# Altium PCB MAIN_BOARD_V2.PcbDoc (part 3 of 4) (continued)
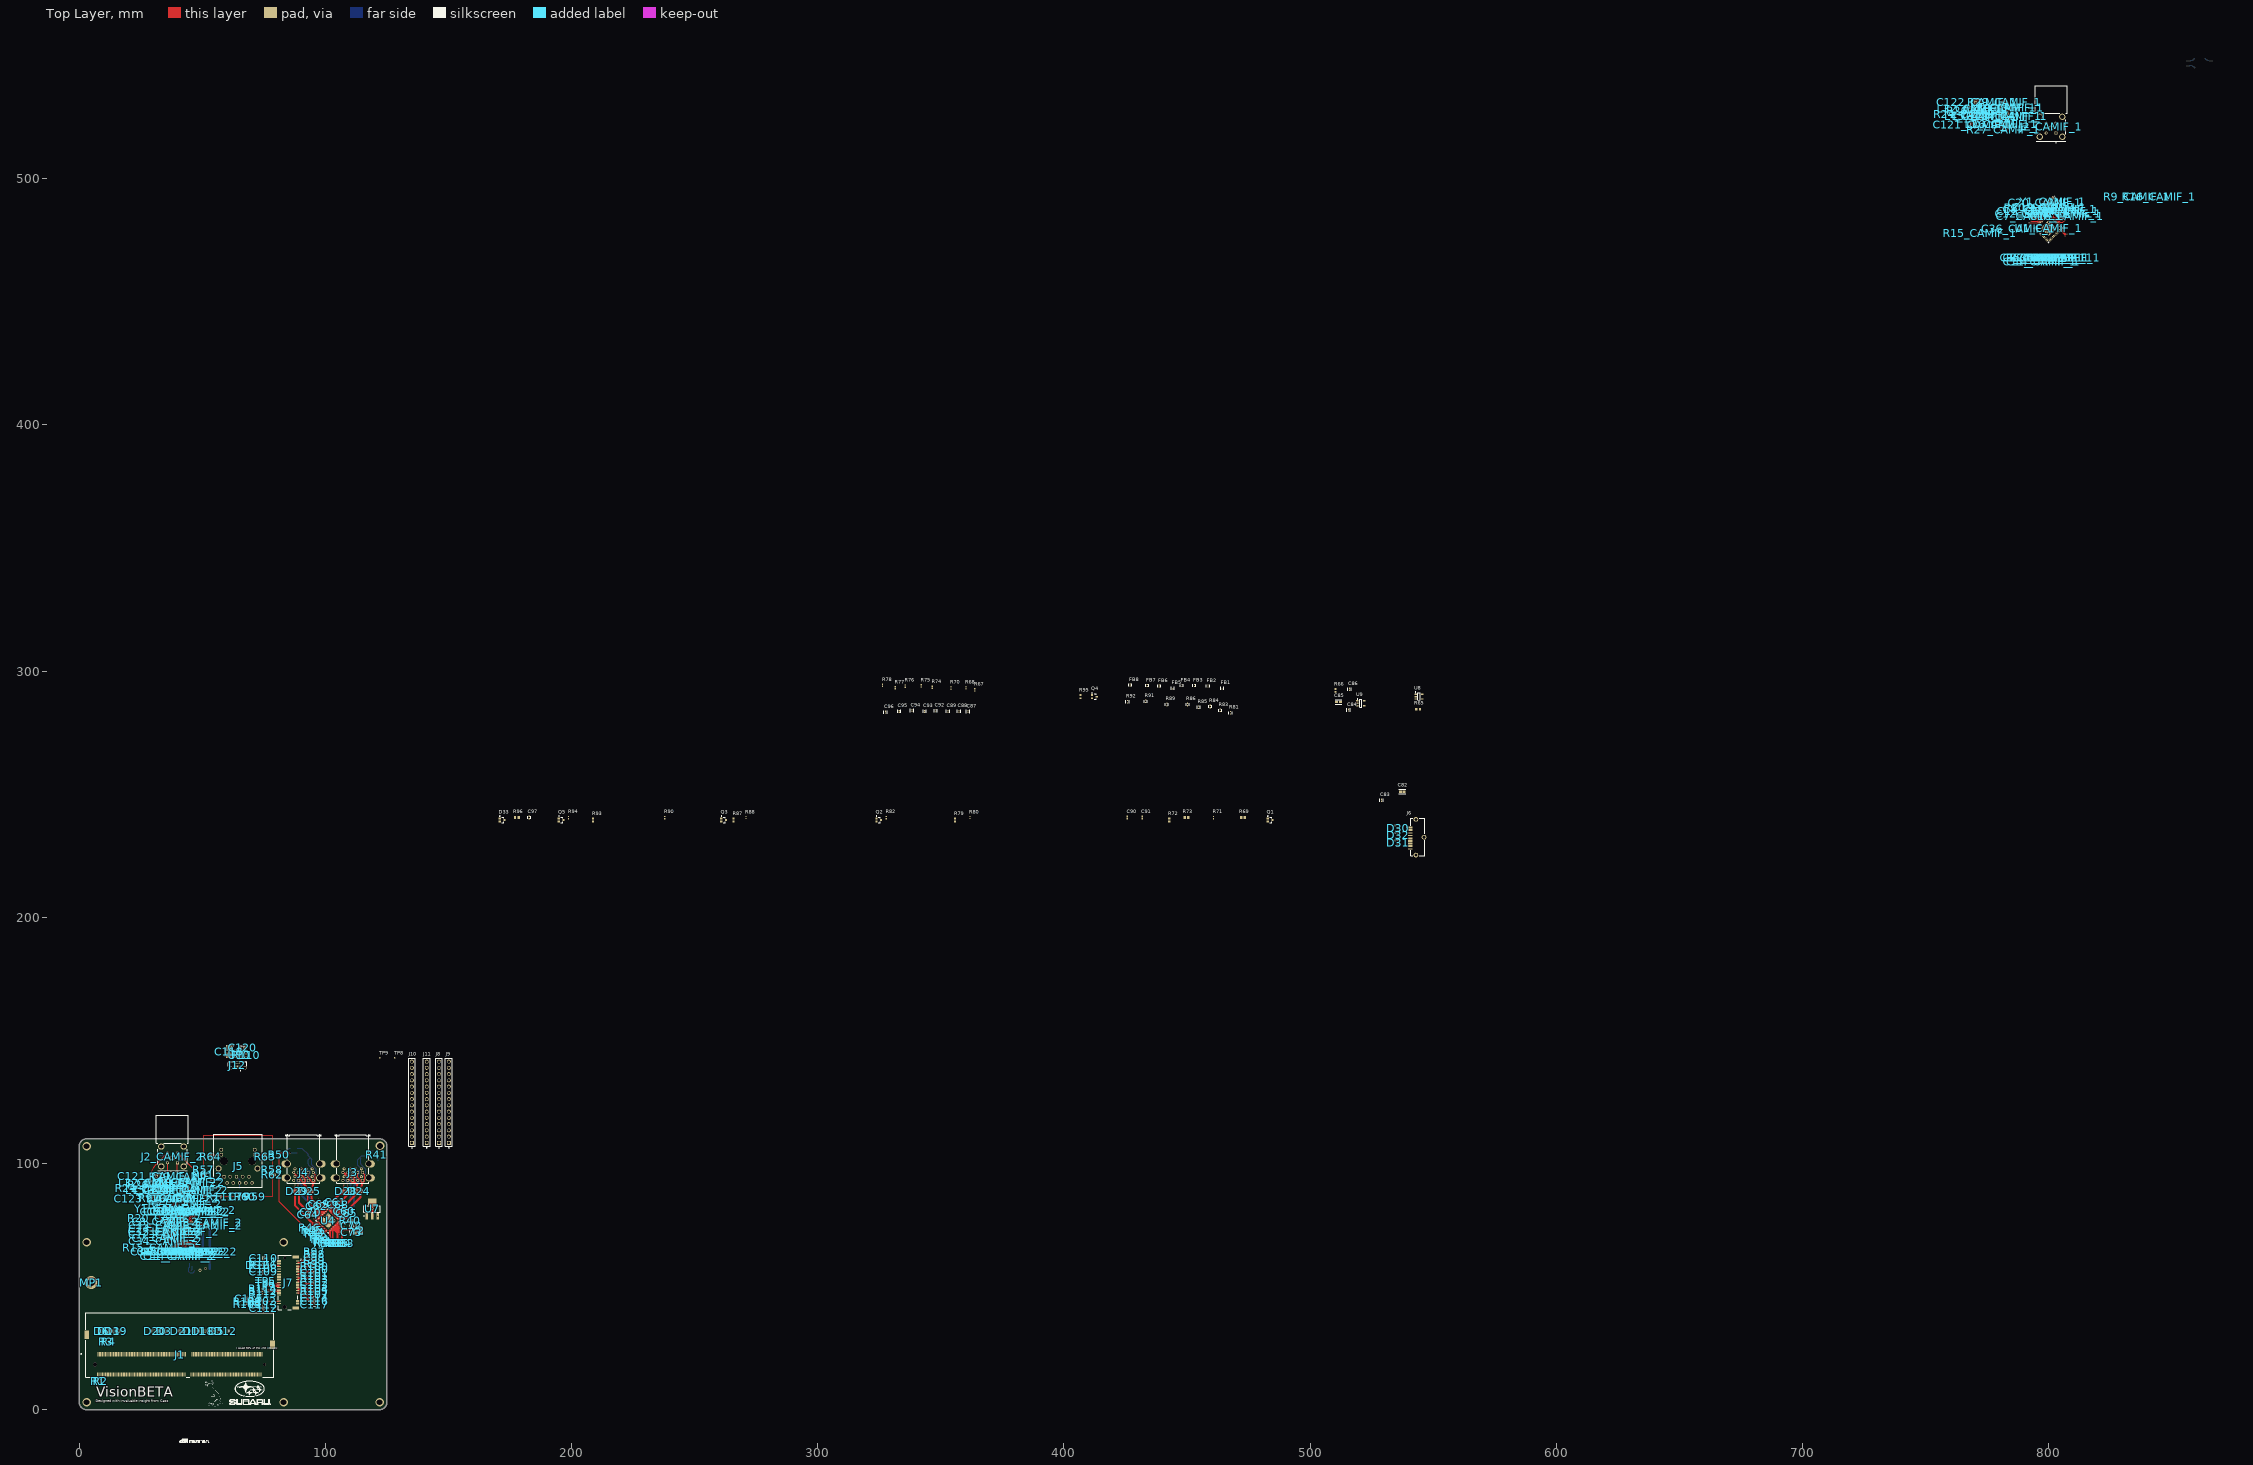
[diagram p0: Top Layer view]
## Nets (pads, with @x,y where several pads share a name; then routed paths per layer and width w, separated by ;. In a path a pad name is that pad's centre, name@x,y a point inside that pad or via, vN(x,y) a via of type N, cw(c..) or ccw(c..) an arc to the next point about the centre after c; other vN are vias at no path point) (continued)
  Bottom Layer w0.355: 39.858,100.287 40.114,100.543 cw(c41.91,98.747) 41.91,101.287 42.315,101.287 43.15,101.287
  other v1: 101.1,73.95 99.725,75.375 102.475,75.375 98.325,76.75 101.1,76.75 103.875,76.75 99.725,78.125 102.475,78.125 101.1,79.525
  other v2: 41.608,70.625 42.708,70.625 43.808,70.625 44.908,70.625 41.608,71.725 42.708,71.725 43.808,71.725 44.908,71.725 41.608,72.825 42.708,72.825 43.808,72.825 44.908,72.825 41.608,73.925 42.708,73.925 43.808,73.925 44.908,73.925 800,477.667 799.222,478.444 800.778,478.444 798.444,479.222 800,479.222 801.556,479.222 797.667,480 799.222,480 800.778,480 802.333,480 798.444,480.778 800,480.778 801.556,480.778 799.222,481.556 800.778,481.556 800,482.333
  other v3: 51.276,57.322 51.276,62.572 30.725,84.899 42.1,88.274 44.35,89.926 31.349,94.775 769.575,521.224 780.95,524.599 783.2,526.251 770.199,531.1
GPIO08_FAN_TACH: J1.208
GPIO09_AUD_MCLK: J1.211
GPIO14_FAN_CTRL: J1.230
HDMI_CEC: D31.2 J6.13 R94.2
HDMI_CLK_N: D31.1 J6.12 R78.2
HDMI_CLK_P: D32.5 J6.10 R77.2
HDMI_D0_N: D32.4 J6.9 R76.2
HDMI_D0_P: D32.2 J6.7 R75.2
HDMI_D1_N: D32.1 J6.6 R74.2
HDMI_D1_P: D30.5 J6.4 R70.2
HDMI_D2_N: D30.4 J6.3 R68.2
HDMI_D2_P: D30.2 J6.1 R67.2
HDMI_HP_DET: C91.2 J6.19 R71.2
HDMI_nSLEEP: R65.2 U8.4
HDMI_SCL: D31.4 J6.15 R90.2
HDMI_SDA: D31.5 J6.16 R82.2
I2C0_SCL: D2.4 J1.185
I2C0_SDA: D2.5 J1.187
I2S0_DIN: D4.2 J1.195
I2S0_DOUT: D4.1 J1.193
I2S0_FS: D4.4 J1.197
I2S0_SCLK: D4.5 J1.199
I2S_DIN: J11.2
I2S_DOUT: J11.1
I2S_FS: J10.2
I2S_SCLK: J10.1
nADC_CS: J11.10
nDAC_CONFIG: J10.4
NetC12_CAMIF_1_2: C12_CAMIF_1.2 R10_CAMIF_1.2
  other v1: 793.011,486.039
NetC12_CAMIF_2_2: C12_CAMIF_2.2 R10_CAMIF_2.2
  other v1: 34.708,70.975
NetC13_CAMIF_1_2: C13_CAMIF_1.2 R11_CAMIF_1.2
  other v1: 793.963,486.99
NetC13_CAMIF_2_2: C13_CAMIF_2.2 R11_CAMIF_2.2
  other v1: 34.733,74.925
NetC17_CAMIF_1_2: C17_CAMIF_1.2 R18_CAMIF_1.2
  other v1: 806.043,486.993
NetC17_CAMIF_2_2: C17_CAMIF_2.2 R18_CAMIF_2.2
  other v1: 41.218,80.792
NetC18_CAMIF_1_2: C18_CAMIF_1.2 R19_CAMIF_1.2
  other v1: 806.992,486.042
NetC18_CAMIF_2_2: C18_CAMIF_2.2 R19_CAMIF_2.2
  other v1: 45.168,80.792
NetC21_CAMIF_1_1: C21_CAMIF_1.1 C22_CAMIF_1.2 U1_CAMIF_1.8 | length 3.3
  Top Layer w0.254: U1_CAMIF_1.8@802.563,482.917 804.653,485.006 804.653,485.253 v1(804.7,485.3)
NetC21_CAMIF_2_1: C21_CAMIF_2.1 C22_CAMIF_2.2 U1_CAMIF_2.8 | length 4
  Top Layer w0.254: v1(42.575,79.962) 42.638,79.962 43.008,79.592 U1_CAMIF_2.8@43.008,76.15
NetC23_CAMIF_1_1: C23_CAMIF_1.1 C24_CAMIF_1.2 U1_CAMIF_1.20 | length 3.3
  Top Layer w0.254: v1(795.4,485.4) 795.447,485.353 795.708,485.353 U1_CAMIF_1.20@797.79,483.27
NetC23_CAMIF_2_1: C23_CAMIF_2.1 C24_CAMIF_2.2 U1_CAMIF_2.20 | length 4.1
  Top Layer w0.254: v1(35.467,73.575) 35.5,73.575 36.05,73.025 U1_CAMIF_2.20@39.383,73.025
NetC60_1: C60.1 U4.4 | length 3.8
  Top Layer w0.266: U4.4@104.502,78.172 105.955,79.625 106.662,79.625 C60.1@107.425,80.388
NetC61_1: C61.1 U4.11 | length 4.3
  Top Layer w0.266: U4.11@102.514,80.144 103.675,81.305 103.675,83.516 103.913,83.754 C61.1@103.913,83.9
NetC62_1: C62.1 U4.20 | length 3.9
  Top Layer w0.266: C62.1@96.703,82.31 96.727,82.286 97.064,82.286 98.157,81.193 98.157,80.541 U4.20@99.112,79.587
NetC64_1: C64.1 U4.27 | length 4.3
  Top Layer w0.266: C64.1@93.362,78.975 93.442,78.975 93.742,78.675 96.064,78.675 U4.27@97.14,77.599
NetC65_1: C65.1 U4.3 | length 4.2
  Top Layer w0.266: U4.3@104.785,77.89 106.146,79.25 108.041,79.25 108.229,79.438 C65.1@108.375,79.438
NetC68_1: C68.1 U4.10 | length 3.9
  Top Layer w0.266: U4.10@102.797,79.861 104.1,81.164 104.1,82.187 C68.1@104.863,82.95
NetC69_1: C69.1 U4.19 | length 4.1
  Top Layer w0.266: C69.1@97.653,83.26 97.653,82.222 98.525,81.35 98.525,80.739 U4.19@99.395,79.87
NetC70_1: C70.1 U4.26 | length 4
  Top Layer w0.266: C70.1@94.312,79.925 95.137,79.1 96.204,79.1 U4.26@97.423,77.881
NetC80_2: C80.2 J5.5 J5.6 | length 5.2
  Bottom Layer w0.5: J5.5@63.865,94.633 65.135,93.363 J5.6@65.135,92.093 65.142,92.086 65.142,89.999 C80.2@65.15,89.992
NetC84_2: C84.2 R66.1 U9.3 U9.4
NetC90_2: C90.2 R69.2 R71.1
NetC97_1: C97.1 D33.3 Q5.3 R94.1
NetD33_1: D33.1 Q5.2 R93.2
NetD33_2: D33.2 R96.1
NetDS1_1: DS1.1 R106.2 | length 1.2
  Top Layer w0.266: DS1.1@73.1,58.625 R106.2@74.35,58.625
NetDS1_2: DS1.2 R107.2
  other v1: 71.65,58.625
NetFB1_1: FB1.1 FB2.1 FB3.1 FB4.1 FB5.1 FB6.1 FB7.1 FB8.1 Q4.3
NetFB1_2: FB1.2 R81.2
NetFB2_2: FB2.2 R83.2
NetFB3_2: FB3.2 R84.2
NetFB4_2: FB4.2 R85.2
NetFB5_2: FB5.2 R86.2
NetFB6_2: FB6.2 R89.2
NetFB7_2: FB7.2 R91.2
NetFB8_2: FB8.2 R92.2
NetIC1_CAMIF_1_13: 
NetIC1_CAMIF_2_13: IC1_CAMIF_2.13 IC1_CAMIF_2.14 IC1_CAMIF_2.15 L1_CAMIF_2.1
NetJ1_3: J1.3 R1.1
NetJ1_5: J1.5 R2.1
NetJ1_16: J1.16 R3.1
NetJ1_18: J1.18 R4.1
NetJ5_L1: J5.L1 R63.1 | length 4.3
  Top Layer w0.3: J5.L1@71.3,103.533 R63.1@75.6,103.533
NetJ5_L3: J5.L3 R64.1 | length 4.3
  Top Layer w0.3: R64.1@53.4,103.533 J5.L3@57.7,103.533
NetJ7_68: J7.68 R102.1 | length 6
  Top Layer w0.266: R102.1@75.2,44.125 J7.68@81.175,44.125
NetL2_CAMIF_1_2: L2_CAMIF_1.2 L3_CAMIF_1.1 R24_CAMIF_1.2
NetL2_CAMIF_2_2: L2_CAMIF_2.2 L3_CAMIF_2.1 R24_CAMIF_2.2
NetL4_CAMIF_1_2: L4_CAMIF_1.2 L5_CAMIF_1.1 R26_CAMIF_1.2
NetL4_CAMIF_2_2: L4_CAMIF_2.2 L5_CAMIF_2.1 R26_CAMIF_2.2
NetL6_CAMIF_1_2: L6_CAMIF_1.2 L7_CAMIF_1.1 R27_CAMIF_1.2
NetL6_CAMIF_2_2: L6_CAMIF_2.2 L7_CAMIF_2.1 R27_CAMIF_2.2
NetL8_CAMIF_1_2: L8_CAMIF_1.2 L9_CAMIF_1.1 R29_CAMIF_1.2
NetL8_CAMIF_2_2: L8_CAMIF_2.2 L9_CAMIF_2.1 R29_CAMIF_2.2
NetQ1_1: Q1.1 R69.1 R73.2
NetQ2_3: Q2.3 R80.1 R82.1
NetQ3_2: Q3.2 R88.1 R90.1
NetR9_CAMIF_1_1: R9_CAMIF_1.1 R14_CAMIF_1.1 U1_CAMIF_1.11 | length 3.6
  Top Layer w0.2: U1_CAMIF_1.11@801.503,483.977 802,484.475 802,486 v1(803,487)
NetR9_CAMIF_2_1: R9_CAMIF_2.1 R14_CAMIF_2.1 U1_CAMIF_2.11 | length 10.7
  Top Layer w0.2: v1(37.75,85.275) 37.8,85.275 38.075,85 38.075,84.95 38.575,84.45 38.575,79.75 41.508,76.817 U1_CAMIF_2.11@41.508,76.15
NetR12_CAMIF_1_1: R12_CAMIF_1.1 R15_CAMIF_1.2 U1_CAMIF_1.25 | length 4.2
  Top Layer w0.254: v1(792.1,482.1) 795.422,482.1 796.02,481.503 U1_CAMIF_1.25@796.023,481.503
NetR12_CAMIF_2_1: R12_CAMIF_2.1 R15_CAMIF_2.2 U1_CAMIF_2.25 | length 8
  Top Layer w0.2: v1(33.325,65.85) 34.35,65.85 39.025,70.525 U1_CAMIF_2.25@39.383,70.525
NetR13_CAMIF_1_1: R13_CAMIF_1.1 R16_CAMIF_1.2 U1_CAMIF_1.4 | length 3.5
  Top Layer w0.2: U1_CAMIF_1.4@803.977,481.503 804.725,482.25 805.75,482.25 v1(806.75,483.25)
NetR13_CAMIF_2_1: R13_CAMIF_2.1 R16_CAMIF_2.2 U1_CAMIF_2.4 | length 5.8
  Top Layer w0.2: U1_CAMIF_2.4@45.008,76.15 45.018,76.16 45.018,76.568 48.75,80.3 v1(48.825,80.3)
NetR41_2: R41.2 R43.2 U5.3 U5.4 | length 2.7
  Bottom Layer w0.3: U5.3@116.775,105.075 U5.4@119.525,105.075
  other v1: 120.918,104.125
NetR50_2: R50.2 R52.2 U6.3 U6.4 | length 8.9
  Top Layer w0.3: R50.2@81.275,104.125 81.475,104.325 81.701,104.325 81.726,104.35 v1(85.8,104.35)
  Bottom Layer w0.3: R52.2@84.4,104 84.45,104 84.8,104.35 v1(85.8,104.35) U6.3@88.55,104.35
NetR108_2: R108.2 R109.2 Y3.1 | length 2.7
  Top Layer w0.266: R108.2@68.962,43.762 R109.2@68.962,42.737 69.125,42.9 Y3.1@70.525,42.9
NetR110_2: R110.2 U10.3 U10.4
NetR113_2: R113.2
NetR114_2: R114.2
nFORCE_RECOVERY: J1.214
nMOD_SLEEP: J1.178
nSHUTDOWN_REQ: J1.233
nSYS_RESET: J1.239
PCIE0_CLK_N: C116.2 D18.1 J1.160
PCIE0_CLK_P: C117.2 D18.2 J1.162
PCIE0_nCLKREQ: J1.180
PCIE0_nRST: D2.2 J1.181 R112.2
PCIE0_RX0_N: D10.1 J1.131 R104.2
PCIE0_RX0_P: D10.2 J1.133 R105.2
PCIE0_RX1_N: D10.4 J1.137 R101.2
PCIE0_RX1_P: D10.5 J1.139 R103.2
PCIE0_RX2_N: D17.1 J1.149 R99.2
PCIE0_RX2_P: D17.2 J1.151 R100.2
PCIE0_RX3_N: D17.4 J1.155 R97.2
PCIE0_RX3_P: D17.5 J1.157 R98.2
PCIE0_TX0_N: C107.2 D21.1 J1.134
PCIE0_TX0_P: C114.2 D21.2 J1.136
PCIE0_TX1_N: C102.2 D21.4 J1.140
PCIE0_TX1_P: C103.2 D21.5 J1.142
PCIE0_TX2_N: C100.2 D11.1 J1.148
PCIE0_TX2_P: C101.2 D11.2 J1.150
PCIE0_TX3_N: C98.2 D11.4 J1.154
PCIE0_TX3_P: C99.2 D11.5 J1.156
PCIE_32K_CLK: J1.210
PCIE_CLKREQ: J7.52 R113.1 | length 6.4
  Top Layer w0.266: R113.1@75.25,47.075 76.3,48.125 J7.52@81.175,48.125
PCIE_RST: J7.50 R112.1 | length 6.1
  Top Layer w0.266: R112.1@75.25,48.1 75.775,48.625 J7.50@81.175,48.625
PCIE_RX0_N: J7.41 R104.1 | length 7.5
  Top Layer w0.266: J7.41@88.725,50.875 89.35,50.875 89.403,50.822 90.922,50.822 92.935,48.809 94.902,48.809 95.058,48.965 95.058,48.983 R104.1@95.2,49.125
PCIE_RX0_P: J7.43 R105.1 | length 7.5
  Top Layer w0.266: J7.43@88.725,50.375 89.35,50.375 89.403,50.428 90.76,50.428 92.772,48.416 94.902,48.416 95.058,48.26 95.058,48.242 R105.1@95.2,48.1
PCIE_RX1_N: J7.29 R101.1 | length 6.6
  Top Layer w0.266: J7.29@88.725,53.875 89.35,53.875 89.403,53.822 91.929,53.822 94.902,53.822 95.058,53.978 95.058,53.983 R101.1@95.2,54.125
PCIE_RX1_P: J7.31 R103.1 | length 6.6
  Top Layer w0.266: J7.31@88.725,53.375 89.35,53.375 89.403,53.428 91.766,53.428 94.902,53.428 95.058,53.272 95.058,53.267 R103.1@95.2,53.125
PCIE_RX2_N: J7.17 R99.1 | length 7.5
  Top Layer w0.266: J7.17@88.725,56.875 89.35,56.875 89.403,56.822 90.984,56.822 93.009,58.847 94.902,58.847 95.058,59.003 95.058,59.008 R99.1@95.2,59.15
PCIE_RX2_P: J7.19 R100.1 | length 7.5
  Top Layer w0.266: J7.19@88.725,56.375 89.35,56.375 89.403,56.428 91.147,56.428 93.172,58.453 94.902,58.453 95.058,58.297 95.058,58.292 R100.1@95.2,58.15
PCIE_RX3_N: J7.5 R97.1 | length 8.3
  Top Layer w0.266: J7.5@88.725,59.875 89.35,59.875 89.403,59.822 89.984,59.822 94.009,63.847 94.902,63.847 95.058,64.003 95.058,64.008 R97.1@95.2,64.15
PCIE_RX3_P: J7.7 R98.1 | length 8.3
  Top Layer w0.266: J7.7@88.725,59.375 89.35,59.375 89.403,59.428 90.147,59.428 94.172,63.453 94.902,63.453 95.058,63.297 95.058,63.292 R98.1@95.2,63.15
PCIE_WAKE: D2.1 J1.179
PLDWN_1: C87.2 R67.1 R81.1
PLDWN_2: C88.2 R68.1 R83.1
PLDWN_3: C89.2 R70.1 R84.1
PLDWN_4: C92.2 R74.1 R85.1
PLDWN_5: C93.2 R75.1 R86.1
PLDWN_6: C94.2 R76.1 R89.1
PLDWN_7: C95.2 R77.1 R91.1
PLDWN_8: C96.2 R78.1 R92.1
PoC_A_CAMIF_1: C7_CAMIF_1.2 D22_CAMIF_1.1 D22_CAMIF_1.10 J2_CAMIF_1.3 L3_CAMIF_1.2
PoC_A_CAMIF_2: C7_CAMIF_2.2 D22_CAMIF_2.1 D22_CAMIF_2.10 J2_CAMIF_2.3 L3_CAMIF_2.2 | length 23.4
  Top Layer w0.355: 28.515,75.662 ccw(c34.796,75.662) 30.355,71.221 ccw(c34.207,75.073) 34.203,69.625 34.641,69.625 C7_CAMIF_2.2@34.733,69.625 ; 28.515,93.297 cw(c37.252,93.296) 31.073,99.473 31.075,99.475 J2_CAMIF_2.3@35.875,104.275
PoC_B_CAMIF_1: C8_CAMIF_1.2 D22_CAMIF_1.5 D22_CAMIF_1.6 J2_CAMIF_1.4 L5_CAMIF_1.2
PoC_B_CAMIF_2: C8_CAMIF_2.2 D22_CAMIF_2.5 D22_CAMIF_2.6 J2_CAMIF_2.4 L5_CAMIF_2.2 | length 26.1
  Top Layer w0.355: C8_CAMIF_2.2@34.708,76.275 34.607,76.275 cw(c34.607,77.982) 33.4,76.775 cw(c35.03,78.405) 32.725,78.405 32.725,82.648 32.725,82.651 cw(c37.554,82.65) 34.139,86.064 34.141,86.066 35.131,87.056 ccw(c33.335,88.852) 35.875,88.852 J2_CAMIF_2.4@35.875,100.275
PoC_C_CAMIF_1: C15_CAMIF_1.2 D23_CAMIF_1.1 D23_CAMIF_1.10 J2_CAMIF_1.1 L7_CAMIF_1.2
PoC_C_CAMIF_2: C15_CAMIF_2.2 D23_CAMIF_2.1 D23_CAMIF_2.10 J2_CAMIF_2.1 L7_CAMIF_2.2 | length 19.5
  Top Layer w0.355: C15_CAMIF_2.2@39.875,80.792 J2_CAMIF_2.1@39.875,100.275
PoC_D_CAMIF_1: C16_CAMIF_1.2 D23_CAMIF_1.5 D23_CAMIF_1.6 J2_CAMIF_1.2 L9_CAMIF_1.2
PoC_D_CAMIF_2: C16_CAMIF_2.2 D23_CAMIF_2.5 D23_CAMIF_2.6 J2_CAMIF_2.2 L9_CAMIF_2.2 | length 26.1
  Top Layer w0.355: J2_CAMIF_2.2@39.875,104.275 45.774,98.376 cw(c43.978,96.58) 46.518,96.58 C16_CAMIF_2.2@46.518,80.792
PoC_PWR_CAMIF_1: C121_CAMIF_1.1 C122_CAMIF_1.1 C123_CAMIF_1.1 C124_CAMIF_1.1 L2_CAMIF_1.1 L4_CAMIF_1.1 L6_CAMIF_1.1 L8_CAMIF_1.1 R24_CAMIF_1.1 R26_CAMIF_1.1 R27_CAMIF_1.1 R29_CAMIF_1.1 | length 3.6
  Bottom Layer w0.355: 856.08,546.012 856.915,546.012 857.32,546.012 cw(c857.32,543.472) 859.116,545.268 859.373,545.012
  other v3: 783.345,522.075 770.075,525.4 771.975,528.5 780.78,528.783
PoC_PWR_CAMIF_2: C121_CAMIF_2.1 C122_CAMIF_2.1 C123_CAMIF_2.1 C124_CAMIF_2.1 L2_CAMIF_2.1 L4_CAMIF_2.1 L6_CAMIF_2.1 L8_CAMIF_2.1 R24_CAMIF_2.1 R26_CAMIF_2.1 R27_CAMIF_2.1 R29_CAMIF_2.1 | length 3.6
  Bottom Layer w0.355: 32.565,101.287 33.4,101.287 33.805,101.287 cw(c33.805,98.747) 35.601,100.543 35.858,100.287
  other v3: 44.495,85.75 31.225,89.075 33.125,92.175 41.93,92.458
POWER_EN: J1.237
PRE_CLK_N: C116.1 J7.53 | length 8.7
  Top Layer w0.266: J7.53@88.725,47.875 89.35,47.875 89.403,47.822 90.046,47.822 94.296,43.572 94.991,43.572 95.147,43.728 95.147,43.947 95.25,44.05 C116.1@95.283,44.05
PRE_CLK_P: C117.1 J7.55 | length 8.7
  Top Layer w0.266: J7.55@88.725,47.375 89.35,47.375 89.403,47.428 89.883,47.428 94.133,43.178 94.991,43.178 95.147,43.022 95.147,42.803 95.25,42.7 C117.1@95.283,42.7
PRE_TX0_N: C107.1 J7.47 | length 8.2
  Top Layer w0.266: J7.47@88.725,49.375 89.35,49.375 89.403,49.322 90.445,49.322 93.495,46.272 94.991,46.272 95.147,46.428 95.147,46.647 95.25,46.75 C107.1@95.283,46.75
PRE_TX0_P: C114.1 J7.49 | length 8.2
  Top Layer w0.266: J7.49@88.725,48.875 89.35,48.875 89.403,48.928 90.282,48.928 93.332,45.878 94.991,45.878 95.147,45.722 95.147,45.503 95.25,45.4 C114.1@95.283,45.4
PRE_TX1_N: C102.1 J7.35 | length 7.3
  Top Layer w0.266: J7.35@88.725,52.375 89.35,52.375 89.403,52.322 91.47,52.322 92.47,51.322 94.991,51.322 95.147,51.478 95.147,51.697 95.25,51.8 C102.1@95.283,51.8
PRE_TX1_P: C103.1 J7.37 | length 7.3
  Top Layer w0.266: J7.37@88.725,51.875 89.35,51.875 89.403,51.928 91.307,51.928 92.307,50.928 94.991,50.928 95.147,50.772 95.147,50.553 95.25,50.45 C103.1@95.283,50.45
PRE_TX2_N: C100.1 J7.23 | length 7.3
  Top Layer w0.266: J7.23@88.725,55.375 89.35,55.375 89.403,55.322 91.538,55.322 92.538,56.322 94.991,56.322 95.147,56.478 95.147,56.697 95.25,56.8 C100.1@95.283,56.8
PRE_TX2_P: C101.1 J7.25 | length 7.3
  Top Layer w0.266: J7.25@88.725,54.875 89.35,54.875 89.403,54.928 91.701,54.928 92.701,55.928 94.991,55.928 95.147,55.772 95.147,55.553 95.25,55.45 C101.1@95.283,55.45
PRE_TX3_N: C98.1 J7.11 | length 8.2
  Top Layer w0.266: J7.11@88.725,58.375 89.35,58.375 89.403,58.322 90.525,58.322 93.55,61.347 94.991,61.347 95.147,61.503 95.147,61.722 95.25,61.825 C98.1@95.283,61.825
PRE_TX3_P: C99.1 J7.13 | length 8.2
  Top Layer w0.266: J7.13@88.725,57.875 89.35,57.875 89.403,57.928 90.688,57.928 93.713,60.953 94.991,60.953 95.147,60.797 95.147,60.578 95.25,60.475 C99.1@95.283,60.475
PRT01_CTL: R41.1 R42.2 R44.2 | length 1
  Top Layer w0.3: R44.2@95.068,71.801 95.068,71.794 95.736,71.126 R42.2@95.736,71.119
PRT23_CTL: R45.2 R46.2 R50.1 | length 37.8
  Top Layer w0.3: R50.1@81.275,102.875 81.275,84.4 93.007,72.668 ; R46.2@93.325,73.541 93.007,73.222 93.007,72.668 ; R45.2@94.393,72.476 94.067,72.15 93.525,72.15 93.007,72.668
REC_VBUS: C118.1 C119.2 J12.1 U10.1
  other v1: 63.658,145.023
SIOA_CAMIF_1_N: C12_CAMIF_1.1 U1_CAMIF_1.22 | length 5.2
  Top Layer w0.168: C12_CAMIF_1.1@793.53,485.52 793.537,485.513 793.537,485.298 793.422,485.183 793.422,485.044 794.441,484.025 795.622,484.025 U1_CAMIF_1.22@797.083,482.563
SIOA_CAMIF_1_P: C7_CAMIF_1.1 U1_CAMIF_1.23 | length 5.2
  Top Layer w0.168: C7_CAMIF_1.1@792.58,484.57 792.587,484.563 792.802,484.563 792.917,484.678 793.056,484.678 794.227,483.507 795.407,483.507 796.705,482.21 U1_CAMIF_1.23@796.73,482.21
SIOA_CAMIF_2_N: C12_CAMIF_2.1 U1_CAMIF_2.22 | length 4.8
  Top Layer w0.168: C12_CAMIF_2.1@35.442,70.975 35.456,70.975 35.608,70.823 35.608,70.665 35.706,70.566 36.505,70.566 37.963,72.025 U1_CAMIF_2.22@39.383,72.025
SIOA_CAMIF_2_P: C7_CAMIF_2.1 U1_CAMIF_2.23 | length 4.8
  Top Layer w0.168: C7_CAMIF_2.1@35.467,69.625 35.618,69.777 35.618,69.951 35.716,70.049 36.719,70.049 38.178,71.507 39.365,71.507 U1_CAMIF_2.23@39.383,71.525
SIOB_CAMIF_1_N: C13_CAMIF_1.1 U1_CAMIF_1.19 | length 4.9
  Top Layer w0.168: C13_CAMIF_1.1@794.482,486.472 794.505,486.448 794.721,486.448 794.839,486.567 795.176,486.567 798.119,483.624 U1_CAMIF_1.19@798.144,483.624
SIOB_CAMIF_1_P: C8_CAMIF_1.1 U1_CAMIF_1.18 | length 4.7
  Top Layer w0.168: C8_CAMIF_1.1@795.446,487.429 795.469,487.406 795.469,487.19 795.446,487.167 795.446,487.028 U1_CAMIF_1.18@798.497,483.977
SIOB_CAMIF_2_N: C13_CAMIF_2.1 U1_CAMIF_2.19 | length 5
  Top Layer w0.168: C13_CAMIF_2.1@35.467,74.925 35.619,75.077 35.619,75.256 35.717,75.354 36.622,75.354 38.469,73.507 39.365,73.507 U1_CAMIF_2.19@39.383,73.525
SIOB_CAMIF_2_P: C8_CAMIF_2.1 U1_CAMIF_2.18 | length 5
  Top Layer w0.168: C8_CAMIF_2.1@35.442,76.275 35.467,76.275 35.619,76.123 35.619,75.969 35.717,75.871 36.837,75.871 38.683,74.025 U1_CAMIF_2.18@39.383,74.025
SIOC_CAMIF_1_N: C17_CAMIF_1.1 U1_CAMIF_1.9 | length 5
  Top Layer w0.168: U1_CAMIF_1.9@802.21,483.27 802.235,483.27 803.631,484.666 803.631,485.164 805.032,486.566 805.171,486.566 805.286,486.451 805.501,486.451 C17_CAMIF_1.1@805.525,486.475
SIOC_CAMIF_1_P: C15_CAMIF_1.1 U1_CAMIF_1.10 | length 5
  Top Layer w0.168: U1_CAMIF_1.10@801.856,483.624 803.113,484.88 803.113,485.379 804.666,486.932 804.666,487.071 804.551,487.186 804.551,487.401 C15_CAMIF_1.1@804.575,487.425
SIOC_CAMIF_2_N: C17_CAMIF_2.1 U1_CAMIF_2.9 | length 4.9
  Top Layer w0.168: C17_CAMIF_2.1@41.218,80.058 41.218,80.048 41.066,79.896 40.903,79.896 40.805,79.798 40.805,79.138 42.508,77.435 U1_CAMIF_2.9@42.508,76.15
SIOC_CAMIF_2_P: C15_CAMIF_2.1 U1_CAMIF_2.10 | length 4.9
  Top Layer w0.168: C15_CAMIF_2.1@39.875,80.058 39.875,80.048 40.027,79.896 40.19,79.896 40.288,79.798 40.288,78.924 41.99,77.221 41.99,76.168 U1_CAMIF_2.10@42.008,76.15
SIOD_CAMIF_1_N: C18_CAMIF_1.1 U1_CAMIF_1.6 | length 5
  Top Layer w0.168: U1_CAMIF_1.6@803.27,482.21 803.27,482.235 804.665,483.63 805.167,483.63 806.568,485.03 806.568,485.17 806.452,485.286 806.452,485.501 C18_CAMIF_1.1@806.474,485.523
SIOD_CAMIF_1_P: C16_CAMIF_1.1 U1_CAMIF_1.5 | length 5
  Top Layer w0.168: U1_CAMIF_1.5@803.624,481.856 804.88,483.112 805.382,483.112 806.934,484.664 807.073,484.664 807.188,484.55 807.403,484.55 C16_CAMIF_1.1@807.427,484.573
SIOD_CAMIF_2_N: C18_CAMIF_2.1 U1_CAMIF_2.6 | length 4.8
  Top Layer w0.168: U1_CAMIF_2.6@44.008,76.15 43.99,76.168 43.99,77.185 45.588,78.782 45.588,79.798 45.49,79.896 45.327,79.896 45.175,80.048 C18_CAMIF_2.1@45.175,80.058
SIOD_CAMIF_2_P: C16_CAMIF_2.1 U1_CAMIF_2.5 | length 4.8
  Top Layer w0.168: U1_CAMIF_2.5@44.508,76.15 44.508,76.97 46.105,78.568 46.105,79.798 46.203,79.896 46.366,79.896 46.518,80.048 C16_CAMIF_2.1@46.518,80.058
SMB_CLK: J7.40 TP5.1 | length 5.8
  Top Layer w0.266: TP5.1@75.725,52.075 76.675,51.125 J7.40@81.175,51.125
SMB_DATA: J7.42 TP6.1 | length 5.6
  Top Layer w0.266: TP6.1@75.725,51.1 75.764,51.1 76.239,50.625 J7.42@81.175,50.625
SMB_nALERT: J7.44 TP7.1 | length 5.5
  Top Layer w0.266: TP7.1@75.725,50.125 J7.44@81.175,50.125
SPI0_MISO: D1.4 J1.93
SPI0_MOSI: D1.1 J1.89
SPI0_nCS_0: D1.5 J1.95
SPI0_nCS_1: J1.97
SPI0_SCLK: D1.2 J1.91
SPI1_MISO: D3.4 J1.108
SPI1_MOSI: D3.1 J1.104
SPI1_nCS_0: D3.5 J1.110
SPI1_nCS_1: J1.112
SPI1_SCLK: D3.2 J1.106
SUSCLK_32: R102.2 Y3.3 | length 1.6
  Top Layer w0.266: Y3.3@72.15,44.125 R102.2@73.75,44.125
USB0_D_N: D9.1 J1.109 J12.2
USB0_D_P: D9.2 J1.111 J12.3
USB0_RX_N: D24.1 D24.10 J3.A5 U4.7 | length 24.5
  Top Layer w0.266: U4.7@103.654,79.021 103.658,79.021 108.143,83.505 112.677,88.04 112.677,88.613 112.675,88.615 D24.10@112.675,89.167 112.708,89.201 112.708,89.596 112.728,89.616 112.728,91.223 111.666,92.285 110.754,92.285 109.935,93.105 109.935,93.466 109.265,94.135 109.265,94.726 109.064,94.927 108.523,94.927 107.903,95.546 107.903,95.93 107.692,96.141 107.279,96.141 J3.A5@107.1,96.32
USB0_RX_P: D24.2 D24.9 J3.A6 U4.6 | length 25.1
  Top Layer w0.266: U4.6@103.937,78.738 103.937,78.743 108.306,83.112 113.142,87.948 D24.2@113.142,88.183 ; J3.A6@109.1,96.32 108.921,96.141 108.508,96.141 108.297,95.93 108.297,95.709 108.686,95.32 109.227,95.32 109.238,95.31 109.609,95.31 109.754,95.455 110.446,95.455 111.265,94.635 111.265,94.135 111.935,93.466 111.935,92.573 113.122,91.386 113.122,89.616 113.142,89.596 113.142,89.201 D24.9@113.175,89.167 D24.2@113.175,88.332
USB0_TX_N: C60.2 D24.4 D24.7 J3.A8 | length 19.6
  Top Layer w0.266: C60.2@107.943,80.907 107.967,80.93 108.113,80.93 108.265,80.778 108.486,80.778 114.228,86.52 114.228,88.562 114.175,88.615 D24.7@114.175,89.167 114.208,89.201 114.208,89.596 114.228,89.616 114.228,90.613 114.835,91.22 114.835,92.204 114.057,92.983 114.057,93.344 113.1,94.301 J3.A8@113.1,96.32